# KiCad board SparkFun_IoT_RedBoard-RP2350_panelized.kicad_pcb (continued)
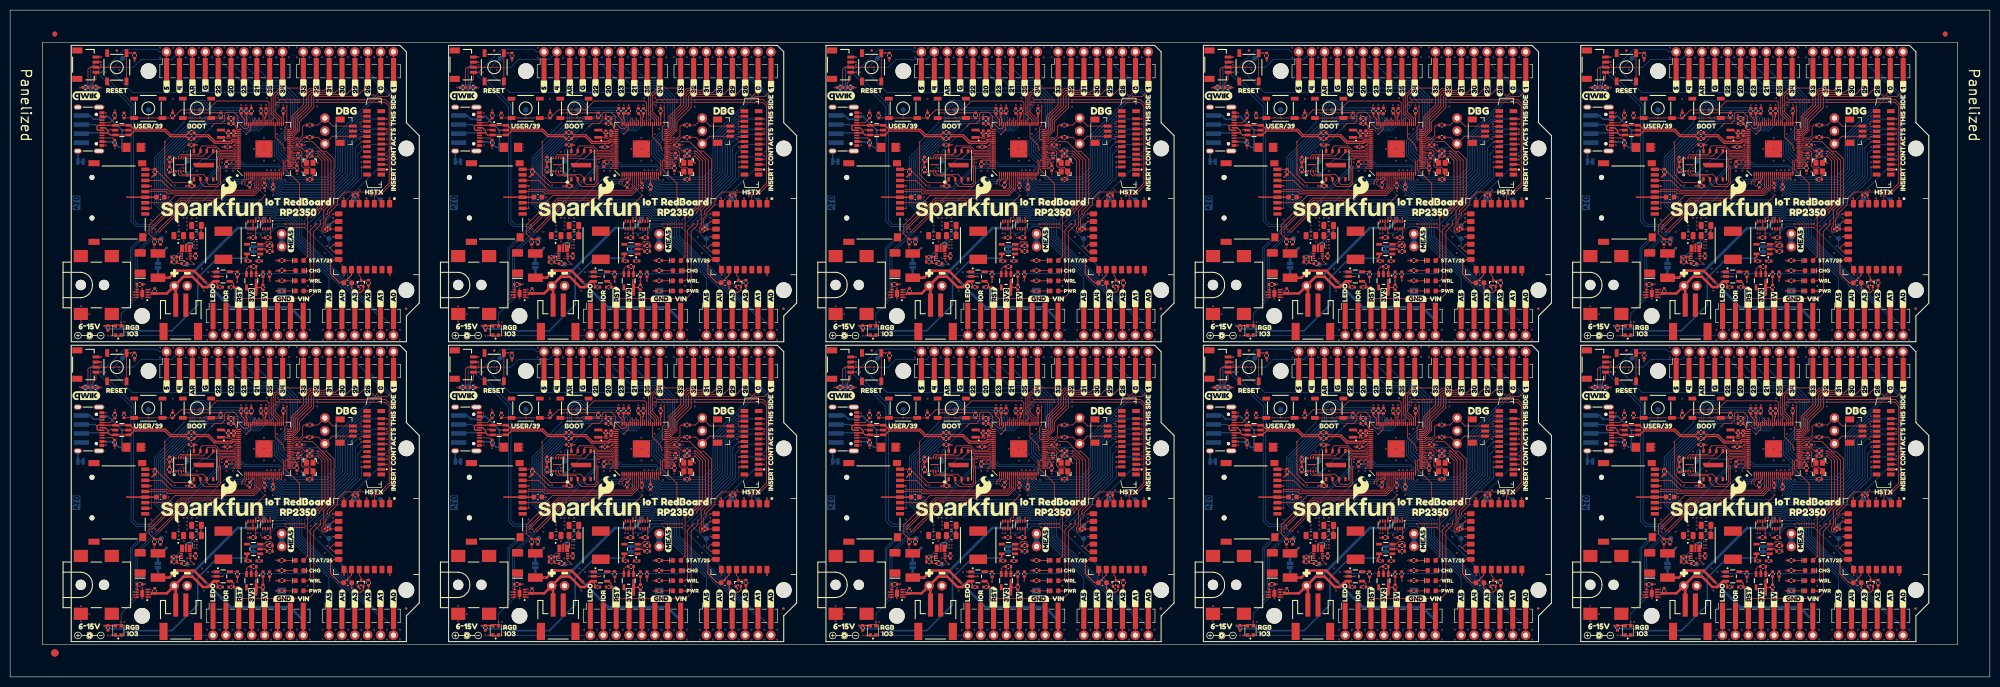
[diagram p0: board, top side]
## Placement (name value [footprint] x y rotation side) (continued)
kibuzzard-6765B674#5  G***  [kibuzzard-6765B674]  135.53 82.08 0 top
kibuzzard-6765B674#6  G***  [kibuzzard-6765B674]  209.89 22.96 0 top
kibuzzard-6765B674#7  G***  [kibuzzard-6765B674]  358.61 82.08 0 top
kibuzzard-6765B674#8  G***  [kibuzzard-6765B674]  284.25 22.96 0 top
kibuzzard-6765B674#9  G***  [kibuzzard-6765B674]  209.89 82.08 0 top
kibuzzard-6765B674#10  G***  [kibuzzard-6765B674]  358.61 22.96 0 top
kibuzzard-67608A8F  G***  [kibuzzard-67608A8F]  18.02 49.76 180 bottom
kibuzzard-67608A8F#2  G***  [kibuzzard-67608A8F]  166.74 108.88 180 bottom
kibuzzard-67608A8F#3  G***  [kibuzzard-67608A8F]  18.02 108.88 180 bottom
kibuzzard-67608A8F#4  G***  [kibuzzard-67608A8F]  92.38 49.76 180 bottom
kibuzzard-67608A8F#5  G***  [kibuzzard-67608A8F]  92.38 108.88 180 bottom
kibuzzard-67608A8F#6  G***  [kibuzzard-67608A8F]  166.74 49.76 180 bottom
kibuzzard-67608A8F#7  G***  [kibuzzard-67608A8F]  241.1 49.76 180 bottom
kibuzzard-67608A8F#8  G***  [kibuzzard-67608A8F]  241.1 108.88 180 bottom
kibuzzard-67608A8F#9  G***  [kibuzzard-67608A8F]  315.46 49.76 180 bottom
kibuzzard-67608A8F#10  G***  [kibuzzard-67608A8F]  315.46 108.88 180 bottom
kibuzzard-67608A60  G***  [kibuzzard-67608A60]  18.32 51.56 180 bottom
kibuzzard-67608A60#2  G***  [kibuzzard-67608A60]  315.76 110.68 180 bottom
kibuzzard-67608A60#3  G***  [kibuzzard-67608A60]  92.68 51.56 180 bottom
kibuzzard-67608A60#4  G***  [kibuzzard-67608A60]  167.04 51.56 180 bottom
kibuzzard-67608A60#5  G***  [kibuzzard-67608A60]  167.04 110.68 180 bottom
kibuzzard-67608A60#6  G***  [kibuzzard-67608A60]  241.4 51.56 180 bottom
kibuzzard-67608A60#7  G***  [kibuzzard-67608A60]  92.68 110.68 180 bottom
kibuzzard-67608A60#8  G***  [kibuzzard-67608A60]  241.4 110.68 180 bottom
kibuzzard-67608A60#9  G***  [kibuzzard-67608A60]  315.76 51.56 180 bottom
kibuzzard-67608A60#10  G***  [kibuzzard-67608A60]  18.32 110.68 180 bottom
kibuzzard-67608A88  G***  [kibuzzard-67608A88]  18.32 46.21 180 bottom
kibuzzard-67608A88#2  G***  [kibuzzard-67608A88]  167.04 105.33 180 bottom
kibuzzard-67608A88#3  G***  [kibuzzard-67608A88]  92.68 46.21 180 bottom
kibuzzard-67608A88#4  G***  [kibuzzard-67608A88]  18.32 105.33 180 bottom
kibuzzard-67608A88#5  G***  [kibuzzard-67608A88]  92.68 105.33 180 bottom
kibuzzard-67608A88#6  G***  [kibuzzard-67608A88]  167.04 46.21 180 bottom
kibuzzard-67608A88#7  G***  [kibuzzard-67608A88]  241.4 46.21 180 bottom
kibuzzard-67608A88#8  G***  [kibuzzard-67608A88]  315.76 46.21 180 bottom
kibuzzard-67608A88#9  G***  [kibuzzard-67608A88]  315.76 105.33 180 bottom
kibuzzard-67608A88#10  G***  [kibuzzard-67608A88]  241.4 105.33 180 bottom
kibuzzard-67608AA5  G***  [kibuzzard-67608AA5]  18.02 47.96 180 bottom
kibuzzard-67608AA5#2  G***  [kibuzzard-67608AA5]  241.1 47.96 180 bottom
kibuzzard-67608AA5#3  G***  [kibuzzard-67608AA5]  92.38 107.08 180 bottom
kibuzzard-67608AA5#4  G***  [kibuzzard-67608AA5]  18.02 107.08 180 bottom
kibuzzard-67608AA5#5  G***  [kibuzzard-67608AA5]  92.38 47.96 180 bottom
kibuzzard-67608AA5#6  G***  [kibuzzard-67608AA5]  315.46 47.96 180 bottom
kibuzzard-67608AA5#7  G***  [kibuzzard-67608AA5]  166.74 107.08 180 bottom
kibuzzard-67608AA5#8  G***  [kibuzzard-67608AA5]  166.74 47.96 180 bottom
kibuzzard-67608AA5#9  G***  [kibuzzard-67608AA5]  241.1 107.08 180 bottom
kibuzzard-67608AA5#10  G***  [kibuzzard-67608AA5]  315.46 107.08 180 bottom
kibuzzard-67608E95  G***  [kibuzzard-67608E95]  53.92 15.41 0 top
kibuzzard-67608E95#2  G***  [kibuzzard-67608E95]  202.64 74.53 0 top
kibuzzard-67608E95#3  G***  [kibuzzard-67608E95]  128.28 15.41 0 top
kibuzzard-67608E95#4  G***  [kibuzzard-67608E95]  128.28 74.53 0 top
kibuzzard-67608E95#5  G***  [kibuzzard-67608E95]  53.92 74.53 0 top
kibuzzard-67608E95#6  G***  [kibuzzard-67608E95]  277 15.41 0 top
kibuzzard-67608E95#7  G***  [kibuzzard-67608E95]  202.64 15.41 0 top
kibuzzard-67608E95#8  G***  [kibuzzard-67608E95]  277 74.53 0 top
kibuzzard-67608E95#9  G***  [kibuzzard-67608E95]  351.36 15.41 0 top
kibuzzard-67608E95#10  G***  [kibuzzard-67608E95]  351.36 74.53 0 top
kibuzzard-67608F94  G***  [kibuzzard-67608F94]  206.49 74.53 0 top
kibuzzard-67608F94#2  G***  [kibuzzard-67608F94]  57.77 74.53 0 top
kibuzzard-67608F94#3  G***  [kibuzzard-67608F94]  355.21 15.41 0 top
kibuzzard-67608F94#4  G***  [kibuzzard-67608F94]  132.13 74.53 0 top
kibuzzard-67608F94#5  G***  [kibuzzard-67608F94]  206.49 15.41 0 top
kibuzzard-67608F94#6  G***  [kibuzzard-67608F94]  132.13 15.41 0 top
kibuzzard-67608F94#7  G***  [kibuzzard-67608F94]  280.85 15.41 0 top
kibuzzard-67608F94#8  G***  [kibuzzard-67608F94]  280.85 74.53 0 top
kibuzzard-67608F94#9  G***  [kibuzzard-67608F94]  355.21 74.53 0 top
kibuzzard-67608F94#10  G***  [kibuzzard-67608F94]  57.77 15.41 0 top
kibuzzard-675766BF  G***  [kibuzzard-675766BF]  60.12 76.08 0 top
kibuzzard-675766BF#2  G***  [kibuzzard-675766BF]  60.12 16.96 0 top
kibuzzard-675766BF#3  G***  [kibuzzard-675766BF]  283.2 16.96 0 top
kibuzzard-675766BF#4  G***  [kibuzzard-675766BF]  357.56 16.96 0 top
kibuzzard-675766BF#5  G***  [kibuzzard-675766BF]  134.48 16.96 0 top
kibuzzard-675766BF#6  G***  [kibuzzard-675766BF]  134.48 76.08 0 top
kibuzzard-675766BF#7  G***  [kibuzzard-675766BF]  208.84 76.08 0 top
kibuzzard-675766BF#8  G***  [kibuzzard-675766BF]  208.84 16.96 0 top
kibuzzard-675766BF#9  G***  [kibuzzard-675766BF]  283.2 76.08 0 top
kibuzzard-675766BF#10  G***  [kibuzzard-675766BF]  357.56 76.08 0 top
kibuzzard-676080F0  G***  [kibuzzard-676080F0]  40.07 40.86 180 bottom
kibuzzard-676080F0#2  G***  [kibuzzard-676080F0]  263.15 40.86 180 bottom
kibuzzard-676080F0#3  G***  [kibuzzard-676080F0]  114.43 40.86 180 bottom
kibuzzard-676080F0#4  G***  [kibuzzard-676080F0]  114.43 99.98 180 bottom
kibuzzard-676080F0#5  G***  [kibuzzard-676080F0]  188.79 40.86 180 bottom
kibuzzard-676080F0#6  G***  [kibuzzard-676080F0]  40.07 99.98 180 bottom
kibuzzard-676080F0#7  G***  [kibuzzard-676080F0]  188.79 99.98 180 bottom
kibuzzard-676080F0#8  G***  [kibuzzard-676080F0]  263.15 99.98 180 bottom
kibuzzard-676080F0#9  G***  [kibuzzard-676080F0]  337.51 40.86 180 bottom
kibuzzard-676080F0#10  G***  [kibuzzard-676080F0]  337.51 99.98 180 bottom
kibuzzard-676083AD  G***  [kibuzzard-676083AD]  204.04 27.06 90 top
kibuzzard-676083AD#2  G***  [kibuzzard-676083AD]  278.4 27.06 90 top
kibuzzard-676083AD#3  G***  [kibuzzard-676083AD]  55.32 86.18 90 top
kibuzzard-676083AD#4  G***  [kibuzzard-676083AD]  129.68 27.06 90 top
kibuzzard-676083AD#5  G***  [kibuzzard-676083AD]  129.68 86.18 90 top
kibuzzard-676083AD#6  G***  [kibuzzard-676083AD]  204.04 86.18 90 top
kibuzzard-676083AD#7  G***  [kibuzzard-676083AD]  352.76 27.06 90 top
kibuzzard-676083AD#8  G***  [kibuzzard-676083AD]  278.4 86.18 90 top
kibuzzard-676083AD#9  G***  [kibuzzard-676083AD]  352.76 86.18 90 top
kibuzzard-676083AD#10  G***  [kibuzzard-676083AD]  55.32 27.06 90 top
kibuzzard-676083AD#11  G***  [kibuzzard-676083AD]  55.32 27.06 90 bottom
kibuzzard-676083AD#12  G***  [kibuzzard-676083AD]  278.4 86.18 90 bottom
kibuzzard-676083AD#13  G***  [kibuzzard-676083AD]  352.76 86.18 90 bottom
kibuzzard-676083AD#14  G***  [kibuzzard-676083AD]  129.68 86.18 90 bottom
kibuzzard-676083AD#15  G***  [kibuzzard-676083AD]  55.32 86.18 90 bottom
kibuzzard-676083AD#16  G***  [kibuzzard-676083AD]  204.04 27.06 90 bottom
kibuzzard-676083AD#17  G***  [kibuzzard-676083AD]  204.04 86.18 90 bottom
kibuzzard-676083AD#18  G***  [kibuzzard-676083AD]  129.68 27.06 90 bottom
kibuzzard-676083AD#19  G***  [kibuzzard-676083AD]  278.4 27.06 90 bottom
kibuzzard-676083AD#20  G***  [kibuzzard-676083AD]  352.76 27.06 90 bottom
kibuzzard-676084E8  G***  [kibuzzard-676084E8]  24.17 8.51 0 top
kibuzzard-676084E8#2  G***  [kibuzzard-676084E8]  247.25 67.63 0 top
kibuzzard-676084E8#3  G***  [kibuzzard-676084E8]  321.61 67.63 0 top
kibuzzard-676084E8#4  G***  [kibuzzard-676084E8]  247.25 8.51 0 top
kibuzzard-676084E8#5  G***  [kibuzzard-676084E8]  98.53 67.63 0 top
kibuzzard-676084E8#6  G***  [kibuzzard-676084E8]  98.53 8.51 0 top
kibuzzard-676084E8#7  G***  [kibuzzard-676084E8]  172.89 8.51 0 top
kibuzzard-676084E8#8  G***  [kibuzzard-676084E8]  24.17 67.63 0 top
kibuzzard-676084E8#9  G***  [kibuzzard-676084E8]  172.89 67.63 0 top
kibuzzard-676084E8#10  G***  [kibuzzard-676084E8]  321.61 8.51 0 top
kibuzzard-676098CD  G***  [kibuzzard-676098CD]  33.62 16.01 180 bottom
kibuzzard-676098CD#2  G***  [kibuzzard-676098CD]  33.62 75.13 180 bottom
kibuzzard-676098CD#3  G***  [kibuzzard-676098CD]  182.34 75.13 180 bottom
kibuzzard-676098CD#4  G***  [kibuzzard-676098CD]  107.98 75.13 180 bottom
kibuzzard-676098CD#5  G***  [kibuzzard-676098CD]  182.34 16.01 180 bottom
kibuzzard-676098CD#6  G***  [kibuzzard-676098CD]  107.98 16.01 180 bottom
kibuzzard-676098CD#7  G***  [kibuzzard-676098CD]  331.06 16.01 180 bottom
kibuzzard-676098CD#8  G***  [kibuzzard-676098CD]  256.7 16.01 180 bottom
kibuzzard-676098CD#9  G***  [kibuzzard-676098CD]  256.7 75.13 180 bottom
kibuzzard-676098CD#10  G***  [kibuzzard-676098CD]  331.06 75.13 180 bottom
kibuzzard-6760897E  G***  [kibuzzard-6760897E]  66.27 52.46 0 top
kibuzzard-6760897E#2  G***  [kibuzzard-6760897E]  140.63 52.46 0 top
kibuzzard-6760897E#3  G***  [kibuzzard-6760897E]  66.27 111.58 0 top
kibuzzard-6760897E#4  G***  [kibuzzard-6760897E]  363.71 111.58 0 top
kibuzzard-6760897E#5  G***  [kibuzzard-6760897E]  140.63 111.58 0 top
kibuzzard-6760897E#6  G***  [kibuzzard-6760897E]  214.99 111.58 0 top
kibuzzard-6760897E#7  G***  [kibuzzard-6760897E]  289.35 52.46 0 top
kibuzzard-6760897E#8  G***  [kibuzzard-6760897E]  289.35 111.58 0 top
kibuzzard-6760897E#9  G***  [kibuzzard-6760897E]  214.99 52.46 0 top
kibuzzard-6760897E#10  G***  [kibuzzard-6760897E]  363.71 52.46 0 top
kibuzzard-67576710  G***  [kibuzzard-67576710]  60.02 20.96 0 top
kibuzzard-67576710#2  G***  [kibuzzard-67576710]  208.74 20.96 0 top
kibuzzard-67576710#3  G***  [kibuzzard-67576710]  134.38 20.96 0 top
kibuzzard-67576710#4  G***  [kibuzzard-67576710]  60.02 80.08 0 top
kibuzzard-67576710#5  G***  [kibuzzard-67576710]  134.38 80.08 0 top
kibuzzard-67576710#6  G***  [kibuzzard-67576710]  208.74 80.08 0 top
kibuzzard-67576710#7  G***  [kibuzzard-67576710]  357.46 80.08 0 top
kibuzzard-67576710#8  G***  [kibuzzard-67576710]  357.46 20.96 0 top
kibuzzard-67576710#9  G***  [kibuzzard-67576710]  283.1 80.08 0 top
kibuzzard-67576710#10  G***  [kibuzzard-67576710]  283.1 20.96 0 top
kibuzzard-67576718  G***  [kibuzzard-67576718]  60.12 18.96 0 top
kibuzzard-67576718#2  G***  [kibuzzard-67576718]  208.84 18.96 0 top
kibuzzard-67576718#3  G***  [kibuzzard-67576718]  283.2 18.96 0 top
kibuzzard-67576718#4  G***  [kibuzzard-67576718]  60.12 78.08 0 top
kibuzzard-67576718#5  G***  [kibuzzard-67576718]  134.48 18.96 0 top
kibuzzard-67576718#6  G***  [kibuzzard-67576718]  134.48 78.08 0 top
kibuzzard-67576718#7  G***  [kibuzzard-67576718]  208.84 78.08 0 top
kibuzzard-67576718#8  G***  [kibuzzard-67576718]  357.56 78.08 0 top
kibuzzard-67576718#9  G***  [kibuzzard-67576718]  357.56 18.96 0 top
kibuzzard-67576718#10  G***  [kibuzzard-67576718]  283.2 78.08 0 top
kibuzzard-67608476  G***  [kibuzzard-67608476]  71.72 36.46 0 top
kibuzzard-67608476#2  G***  [kibuzzard-67608476]  369.16 36.46 0 top
kibuzzard-67608476#3  G***  [kibuzzard-67608476]  369.16 95.58 0 top
kibuzzard-67608476#4  G***  [kibuzzard-67608476]  146.08 95.58 0 top
kibuzzard-67608476#5  G***  [kibuzzard-67608476]  146.08 36.46 0 top
kibuzzard-67608476#6  G***  [kibuzzard-67608476]  71.72 95.58 0 top
kibuzzard-67608476#7  G***  [kibuzzard-67608476]  220.44 36.46 0 top
kibuzzard-67608476#8  G***  [kibuzzard-67608476]  220.44 95.58 0 top
kibuzzard-67608476#9  G***  [kibuzzard-67608476]  294.8 36.46 0 top
kibuzzard-67608476#10  G***  [kibuzzard-67608476]  294.8 95.58 0 top
kibuzzard-67608507  G***  [kibuzzard-67608507]  24.12 9.76 0 top
kibuzzard-67608507#2  G***  [kibuzzard-67608507]  247.2 9.76 0 top
kibuzzard-67608507#3  G***  [kibuzzard-67608507]  24.12 68.88 0 top
kibuzzard-67608507#4  G***  [kibuzzard-67608507]  98.48 68.88 0 top
kibuzzard-67608507#5  G***  [kibuzzard-67608507]  98.48 9.76 0 top
kibuzzard-67608507#6  G***  [kibuzzard-67608507]  172.84 68.88 0 top
kibuzzard-67608507#7  G***  [kibuzzard-67608507]  172.84 9.76 0 top
kibuzzard-67608507#8  G***  [kibuzzard-67608507]  247.2 68.88 0 top
kibuzzard-67608507#9  G***  [kibuzzard-67608507]  321.56 68.88 0 top
kibuzzard-67608507#10  G***  [kibuzzard-67608507]  321.56 9.76 0 top
kibuzzard-67608599  G***  [kibuzzard-67608599]  279.85 34.56 0 top
kibuzzard-67608599#2  G***  [kibuzzard-67608599]  131.13 34.56 0 top
kibuzzard-67608599#3  G***  [kibuzzard-67608599]  205.49 34.56 0 top
kibuzzard-67608599#4  G***  [kibuzzard-67608599]  205.49 93.68 0 top
kibuzzard-67608599#5  G***  [kibuzzard-67608599]  131.13 93.68 0 top
kibuzzard-67608599#6  G***  [kibuzzard-67608599]  56.77 93.68 0 top
kibuzzard-67608599#7  G***  [kibuzzard-67608599]  354.21 93.68 0 top
kibuzzard-67608599#8  G***  [kibuzzard-67608599]  279.85 93.68 0 top
kibuzzard-67608599#9  G***  [kibuzzard-67608599]  354.21 34.56 0 top
kibuzzard-67608599#10  G***  [kibuzzard-67608599]  56.77 34.56 0 top
kibuzzard-67608612  G***  [kibuzzard-67608612]  56.77 32.46 0 top
kibuzzard-67608612#2  G***  [kibuzzard-67608612]  131.13 32.46 0 top
kibuzzard-67608612#3  G***  [kibuzzard-67608612]  56.77 91.58 0 top
kibuzzard-67608612#4  G***  [kibuzzard-67608612]  131.13 91.58 0 top
kibuzzard-67608612#5  G***  [kibuzzard-67608612]  205.49 91.58 0 top
kibuzzard-67608612#6  G***  [kibuzzard-67608612]  279.85 91.58 0 top
kibuzzard-67608612#7  G***  [kibuzzard-67608612]  205.49 32.46 0 top
kibuzzard-67608612#8  G***  [kibuzzard-67608612]  354.21 32.46 0 top
kibuzzard-67608612#9  G***  [kibuzzard-67608612]  354.21 91.58 0 top
kibuzzard-67608612#10  G***  [kibuzzard-67608612]  279.85 32.46 0 top
kibuzzard-67608662  G***  [kibuzzard-67608662]  46.92 29.71 180 bottom
kibuzzard-67608662#2  G***  [kibuzzard-67608662]  46.92 88.83 180 bottom
kibuzzard-67608662#3  G***  [kibuzzard-67608662]  121.28 88.83 180 bottom
kibuzzard-67608662#4  G***  [kibuzzard-67608662]  121.28 29.71 180 bottom
kibuzzard-67608662#5  G***  [kibuzzard-67608662]  344.36 88.83 180 bottom
kibuzzard-67608662#6  G***  [kibuzzard-67608662]  270 29.71 180 bottom
kibuzzard-67608662#7  G***  [kibuzzard-67608662]  195.64 29.71 180 bottom
kibuzzard-67608662#8  G***  [kibuzzard-67608662]  270 88.83 180 bottom
kibuzzard-67608662#9  G***  [kibuzzard-67608662]  344.36 29.71 180 bottom
kibuzzard-67608662#10  G***  [kibuzzard-67608662]  195.64 88.83 180 bottom
kibuzzard-67608910  G***  [kibuzzard-67608910]  15.87 58.71 180 bottom
kibuzzard-67608910#2  G***  [kibuzzard-67608910]  90.23 58.71 180 bottom
kibuzzard-67608910#3  G***  [kibuzzard-67608910]  164.59 117.83 180 bottom
kibuzzard-67608910#4  G***  [kibuzzard-67608910]  15.87 117.83 180 bottom
kibuzzard-67608910#5  G***  [kibuzzard-67608910]  164.59 58.71 180 bottom
kibuzzard-67608910#6  G***  [kibuzzard-67608910]  90.23 117.83 180 bottom
kibuzzard-67608910#7  G***  [kibuzzard-67608910]  238.95 58.71 180 bottom
kibuzzard-67608910#8  G***  [kibuzzard-67608910]  238.95 117.83 180 bottom
kibuzzard-67608910#9  G***  [kibuzzard-67608910]  313.31 58.71 180 bottom
kibuzzard-67608910#10  G***  [kibuzzard-67608910]  313.31 117.83 180 bottom
L1  3.3uH  [0806_Polarized]  41.52 47.96 90 top
L1#2  3.3uH  [0806_Polarized]  115.88 47.96 90 top
L1#3  3.3uH  [0806_Polarized]  190.24 47.96 90 top
L1#4  3.3uH  [0806_Polarized]  41.52 107.08 90 top
L1#5  3.3uH  [0806_Polarized]  115.88 107.08 90 top
L1#6  3.3uH  [0806_Polarized]  338.96 47.96 90 top
L1#7  3.3uH  [0806_Polarized]  264.6 47.96 90 top
L1#8  3.3uH  [0806_Polarized]  338.96 107.08 90 top
L1#9  3.3uH  [0806_Polarized]  190.24 107.08 90 top
L1#10  3.3uH  [0806_Polarized]  264.6 107.08 90 top
L2  470Ohm  [C_0603_1608Metric]  66.52 18.56 180 top
L2#2  470Ohm  [C_0603_1608Metric]  289.6 18.56 180 top
L2#3  470Ohm  [C_0603_1608Metric]  363.96 18.56 180 top
L2#4  470Ohm  [C_0603_1608Metric]  140.88 18.56 180 top
L2#5  470Ohm  [C_0603_1608Metric]  215.24 77.68 180 top
L2#6  470Ohm  [C_0603_1608Metric]  140.88 77.68 180 top
L2#7  470Ohm  [C_0603_1608Metric]  66.52 77.68 180 top
L2#8  470Ohm  [C_0603_1608Metric]  215.24 18.56 180 top
L2#9  470Ohm  [C_0603_1608Metric]  289.6 77.68 180 top
L2#10  470Ohm  [C_0603_1608Metric]  363.96 77.68 180 top
L3  6.8uH  [Inductor_7.3x6.6mm]  42.02 25.96 90 top
L3#2  6.8uH  [Inductor_7.3x6.6mm]  265.1 25.96 90 top
L3#3  6.8uH  [Inductor_7.3x6.6mm]  339.46 25.96 90 top
L3#4  6.8uH  [Inductor_7.3x6.6mm]  42.02 85.08 90 top
L3#5  6.8uH  [Inductor_7.3x6.6mm]  116.38 85.08 90 top
L3#6  6.8uH  [Inductor_7.3x6.6mm]  116.38 25.96 90 top
L3#7  6.8uH  [Inductor_7.3x6.6mm]  190.74 25.96 90 top
L3#8  6.8uH  [Inductor_7.3x6.6mm]  190.74 85.08 90 top
L3#9  6.8uH  [Inductor_7.3x6.6mm]  265.1 85.08 90 top
L3#10  6.8uH  [Inductor_7.3x6.6mm]  339.46 85.08 90 top
NOREF  -  [Fiducial_1mm_Mask3mm]  8.8 126.73 0 top
NOREF#2  -  [Fiducial_1mm_Mask3mm]  381.28 126.73 0 top
NOREF#3  -  [Fiducial_1.5mm_Mask3mm]  8.8 4.71 0 top
NOREF#4  -  [Fiducial_1mm_Mask3mm]  8.8 126.73 0 bottom
NOREF#5  -  [Fiducial_1mm_Mask3mm]  381.28 126.73 0 bottom
NOREF#6  -  [Fiducial_1.5mm_Mask3mm]  8.8 4.71 0 bottom
Q1  RE1C001ZPTL  [SC-89 SOT-490]  69.12 18.96 0 top
Q1#2  RE1C001ZPTL  [SC-89 SOT-490]  217.84 78.08 0 top
Q1#3  RE1C001ZPTL  [SC-89 SOT-490]  143.48 18.96 0 top
Q1#4  RE1C001ZPTL  [SC-89 SOT-490]  69.12 78.08 0 top
Q1#5  RE1C001ZPTL  [SC-89 SOT-490]  143.48 78.08 0 top
Q1#6  RE1C001ZPTL  [SC-89 SOT-490]  217.84 18.96 0 top
Q1#7  RE1C001ZPTL  [SC-89 SOT-490]  366.56 78.08 0 top
Q1#8  RE1C001ZPTL  [SC-89 SOT-490]  366.56 18.96 0 top
Q1#9  RE1C001ZPTL  [SC-89 SOT-490]  292.2 18.96 0 top
Q1#10  RE1C001ZPTL  [SC-89 SOT-490]  292.2 78.08 0 top
R1  5.1k  [R_0402_1005Metric]  20.62 46.16 90 top
R1#2  5.1k  [R_0402_1005Metric]  318.06 46.16 90 top
R1#3  5.1k  [R_0402_1005Metric]  169.34 46.16 90 top
R1#4  5.1k  [R_0402_1005Metric]  94.98 105.28 90 top
R1#5  5.1k  [R_0402_1005Metric]  94.98 46.16 90 top
R1#6  5.1k  [R_0402_1005Metric]  169.34 105.28 90 top
R1#7  5.1k  [R_0402_1005Metric]  20.62 105.28 90 top
R1#8  5.1k  [R_0402_1005Metric]  243.7 105.28 90 top
R1#9  5.1k  [R_0402_1005Metric]  243.7 46.16 90 top
R1#10  5.1k  [R_0402_1005Metric]  318.06 105.28 90 top
R2  5.1k  [R_0402_1005Metric]  20.62 51.56 270 top
R2#2  5.1k  [R_0402_1005Metric]  20.62 110.68 270 top
R2#3  5.1k  [R_0402_1005Metric]  318.06 51.56 270 top
R2#4  5.1k  [R_0402_1005Metric]  94.98 51.56 270 top
R2#5  5.1k  [R_0402_1005Metric]  169.34 110.68 270 top
R2#6  5.1k  [R_0402_1005Metric]  94.98 110.68 270 top
R2#7  5.1k  [R_0402_1005Metric]  169.34 51.56 270 top
R2#8  5.1k  [R_0402_1005Metric]  243.7 51.56 270 top
R2#9  5.1k  [R_0402_1005Metric]  243.7 110.68 270 top
R2#10  5.1k  [R_0402_1005Metric]  318.06 110.68 270 top
R3  27  [R_0402_1005Metric]  35.72 46.96 0 top
R3#2  27  [R_0402_1005Metric]  35.72 106.08 0 top
R3#3  27  [R_0402_1005Metric]  333.16 46.96 0 top
R3#4  27  [R_0402_1005Metric]  184.44 106.08 0 top
R3#5  27  [R_0402_1005Metric]  110.08 106.08 0 top
R3#6  27  [R_0402_1005Metric]  258.8 46.96 0 top
R3#7  27  [R_0402_1005Metric]  184.44 46.96 0 top
R3#8  27  [R_0402_1005Metric]  258.8 106.08 0 top
R3#9  27  [R_0402_1005Metric]  110.08 46.96 0 top
R3#10  27  [R_0402_1005Metric]  333.16 106.08 0 top
R4  27  [R_0402_1005Metric]  35.72 48.16 0 top
R4#2  27  [R_0402_1005Metric]  110.08 107.28 0 top
R4#3  27  [R_0402_1005Metric]  258.8 48.16 0 top
R4#4  27  [R_0402_1005Metric]  35.72 107.28 0 top
R4#5  27  [R_0402_1005Metric]  110.08 48.16 0 top
R4#6  27  [R_0402_1005Metric]  184.44 48.16 0 top
R4#7  27  [R_0402_1005Metric]  184.44 107.28 0 top
R4#8  27  [R_0402_1005Metric]  258.8 107.28 0 top
R4#9  27  [R_0402_1005Metric]  333.16 107.28 0 top
R4#10  27  [R_0402_1005Metric]  333.16 48.16 0 top
R5  2.2k  [R_0402_1005Metric]  16.82 57.06 0 top
R5#2  2.2k  [R_0402_1005Metric]  16.82 116.18 0 top
R5#3  2.2k  [R_0402_1005Metric]  165.54 57.06 0 top
R5#4  2.2k  [R_0402_1005Metric]  91.18 57.06 0 top
R5#5  2.2k  [R_0402_1005Metric]  314.26 116.18 0 top
R5#6  2.2k  [R_0402_1005Metric]  165.54 116.18 0 top
R5#7  2.2k  [R_0402_1005Metric]  239.9 57.06 0 top
R5#8  2.2k  [R_0402_1005Metric]  91.18 116.18 0 top
R5#9  2.2k  [R_0402_1005Metric]  239.9 116.18 0 top
R5#10  2.2k  [R_0402_1005Metric]  314.26 57.06 0 top
R6  2.2k  [R_0402_1005Metric]  14.82 57.06 180 top
R6#2  2.2k  [R_0402_1005Metric]  14.82 116.18 180 top
R6#3  2.2k  [R_0402_1005Metric]  237.9 116.18 180 top
R6#4  2.2k  [R_0402_1005Metric]  312.26 57.06 180 top
R6#5  2.2k  [R_0402_1005Metric]  163.54 116.18 180 top
R6#6  2.2k  [R_0402_1005Metric]  312.26 116.18 180 top
R6#7  2.2k  [R_0402_1005Metric]  163.54 57.06 180 top
R6#8  2.2k  [R_0402_1005Metric]  237.9 57.06 180 top
R6#9  2.2k  [R_0402_1005Metric]  89.18 57.06 180 top
R6#10  2.2k  [R_0402_1005Metric]  89.18 116.18 180 top
R7  200  [R_0402_1005Metric]  47.52 52.46 90 top
R7#2  200  [R_0402_1005Metric]  121.88 111.58 90 top
R7#3  200  [R_0402_1005Metric]  196.24 52.46 90 top
R7#4  200  [R_0402_1005Metric]  47.52 111.58 90 top
R7#5  200  [R_0402_1005Metric]  196.24 111.58 90 top
R7#6  200  [R_0402_1005Metric]  121.88 52.46 90 top
R7#7  200  [R_0402_1005Metric]  270.6 52.46 90 top
R7#8  200  [R_0402_1005Metric]  344.96 111.58 90 top
R7#9  200  [R_0402_1005Metric]  270.6 111.58 90 top
R7#10  200  [R_0402_1005Metric]  344.96 52.46 90 top
R8  33  [R_0402_1005Metric]  43.52 50.96 180 top
R8#2  33  [R_0402_1005Metric]  192.24 50.96 180 top
R8#3  33  [R_0402_1005Metric]  117.88 110.08 180 top
R8#4  33  [R_0402_1005Metric]  266.6 110.08 180 top
R8#5  33  [R_0402_1005Metric]  117.88 50.96 180 top
R8#6  33  [R_0402_1005Metric]  43.52 110.08 180 top
R8#7  33  [R_0402_1005Metric]  192.24 110.08 180 top
R8#8  33  [R_0402_1005Metric]  266.6 50.96 180 top
R8#9  33  [R_0402_1005Metric]  340.96 50.96 180 top
R8#10  33  [R_0402_1005Metric]  340.96 110.08 180 top
R9  1k  [R_0402_1005Metric]  41.52 51.56 270 top
R9#2  1k  [R_0402_1005Metric]  41.52 110.68 270 top
R9#3  1k  [R_0402_1005Metric]  264.6 51.56 270 top
R9#4  1k  [R_0402_1005Metric]  338.96 110.68 270 top
R9#5  1k  [R_0402_1005Metric]  190.24 110.68 270 top
R9#6  1k  [R_0402_1005Metric]  115.88 110.68 270 top
R9#7  1k  [R_0402_1005Metric]  264.6 110.68 270 top
R9#8  1k  [R_0402_1005Metric]  190.24 51.56 270 top
R9#9  1k  [R_0402_1005Metric]  115.88 51.56 270 top
R9#10  1k  [R_0402_1005Metric]  338.96 51.56 270 top
R10  1k  [R_0402_1005Metric]  59.02 44.56 180 top
R10#2  1k  [R_0402_1005Metric]  133.38 103.68 180 top
R10#3  1k  [R_0402_1005Metric]  133.38 44.56 180 top
R10#4  1k  [R_0402_1005Metric]  356.46 103.68 180 top
R10#5  1k  [R_0402_1005Metric]  207.74 44.56 180 top
R10#6  1k  [R_0402_1005Metric]  59.02 103.68 180 top
R10#7  1k  [R_0402_1005Metric]  282.1 44.56 180 top
R10#8  1k  [R_0402_1005Metric]  282.1 103.68 180 top
R10#9  1k  [R_0402_1005Metric]  207.74 103.68 180 top
R10#10  1k  [R_0402_1005Metric]  356.46 44.56 180 top
R11  100  [R_0402_1005Metric]  59.02 47.26 180 top
R11#2  100  [R_0402_1005Metric]  133.38 47.26 180 top
R11#3  100  [R_0402_1005Metric]  133.38 106.38 180 top
R11#4  100  [R_0402_1005Metric]  59.02 106.38 180 top
R11#5  100  [R_0402_1005Metric]  207.74 106.38 180 top
R11#6  100  [R_0402_1005Metric]  282.1 106.38 180 top
R11#7  100  [R_0402_1005Metric]  356.46 47.26 180 top
R11#8  100  [R_0402_1005Metric]  356.46 106.38 180 top
R11#9  100  [R_0402_1005Metric]  207.74 47.26 180 top
R11#10  100  [R_0402_1005Metric]  282.1 47.26 180 top
R12  100  [R_0402_1005Metric]  59.02 49.66 180 top
R12#2  100  [R_0402_1005Metric]  133.38 108.78 180 top
R12#3  100  [R_0402_1005Metric]  282.1 49.66 180 top
R12#4  100  [R_0402_1005Metric]  207.74 108.78 180 top
R12#5  100  [R_0402_1005Metric]  282.1 108.78 180 top
R12#6  100  [R_0402_1005Metric]  356.46 49.66 180 top
R12#7  100  [R_0402_1005Metric]  133.38 49.66 180 top
R12#8  100  [R_0402_1005Metric]  356.46 108.78 180 top
R12#9  100  [R_0402_1005Metric]  59.02 108.78 180 top
R12#10  100  [R_0402_1005Metric]  207.74 49.66 180 top
R13  470  [R_0402_1005Metric]  68.02 35.86 0 top
R13#2  470  [R_0402_1005Metric]  365.46 94.98 0 top
R13#3  470  [R_0402_1005Metric]  291.1 35.86 0 top
R13#4  470  [R_0402_1005Metric]  216.74 94.98 0 top
R13#5  470  [R_0402_1005Metric]  68.02 94.98 0 top
R13#6  470  [R_0402_1005Metric]  142.38 94.98 0 top
R13#7  470  [R_0402_1005Metric]  291.1 94.98 0 top
R13#8  470  [R_0402_1005Metric]  216.74 35.86 0 top
R13#9  470  [R_0402_1005Metric]  365.46 35.86 0 top
R13#10  470  [R_0402_1005Metric]  142.38 35.86 0 top
R14  10k  [R_0402_1005Metric]  62.52 88.28 180 top
R14#2  10k  [R_0402_1005Metric]  136.88 88.28 180 top
R14#3  10k  [R_0402_1005Metric]  136.88 29.16 180 top
R14#4  10k  [R_0402_1005Metric]  211.24 88.28 180 top
R14#5  10k  [R_0402_1005Metric]  359.96 88.28 180 top
R14#6  10k  [R_0402_1005Metric]  359.96 29.16 180 top